# KiCad board boatcontrol.kicad_pcb (continued)
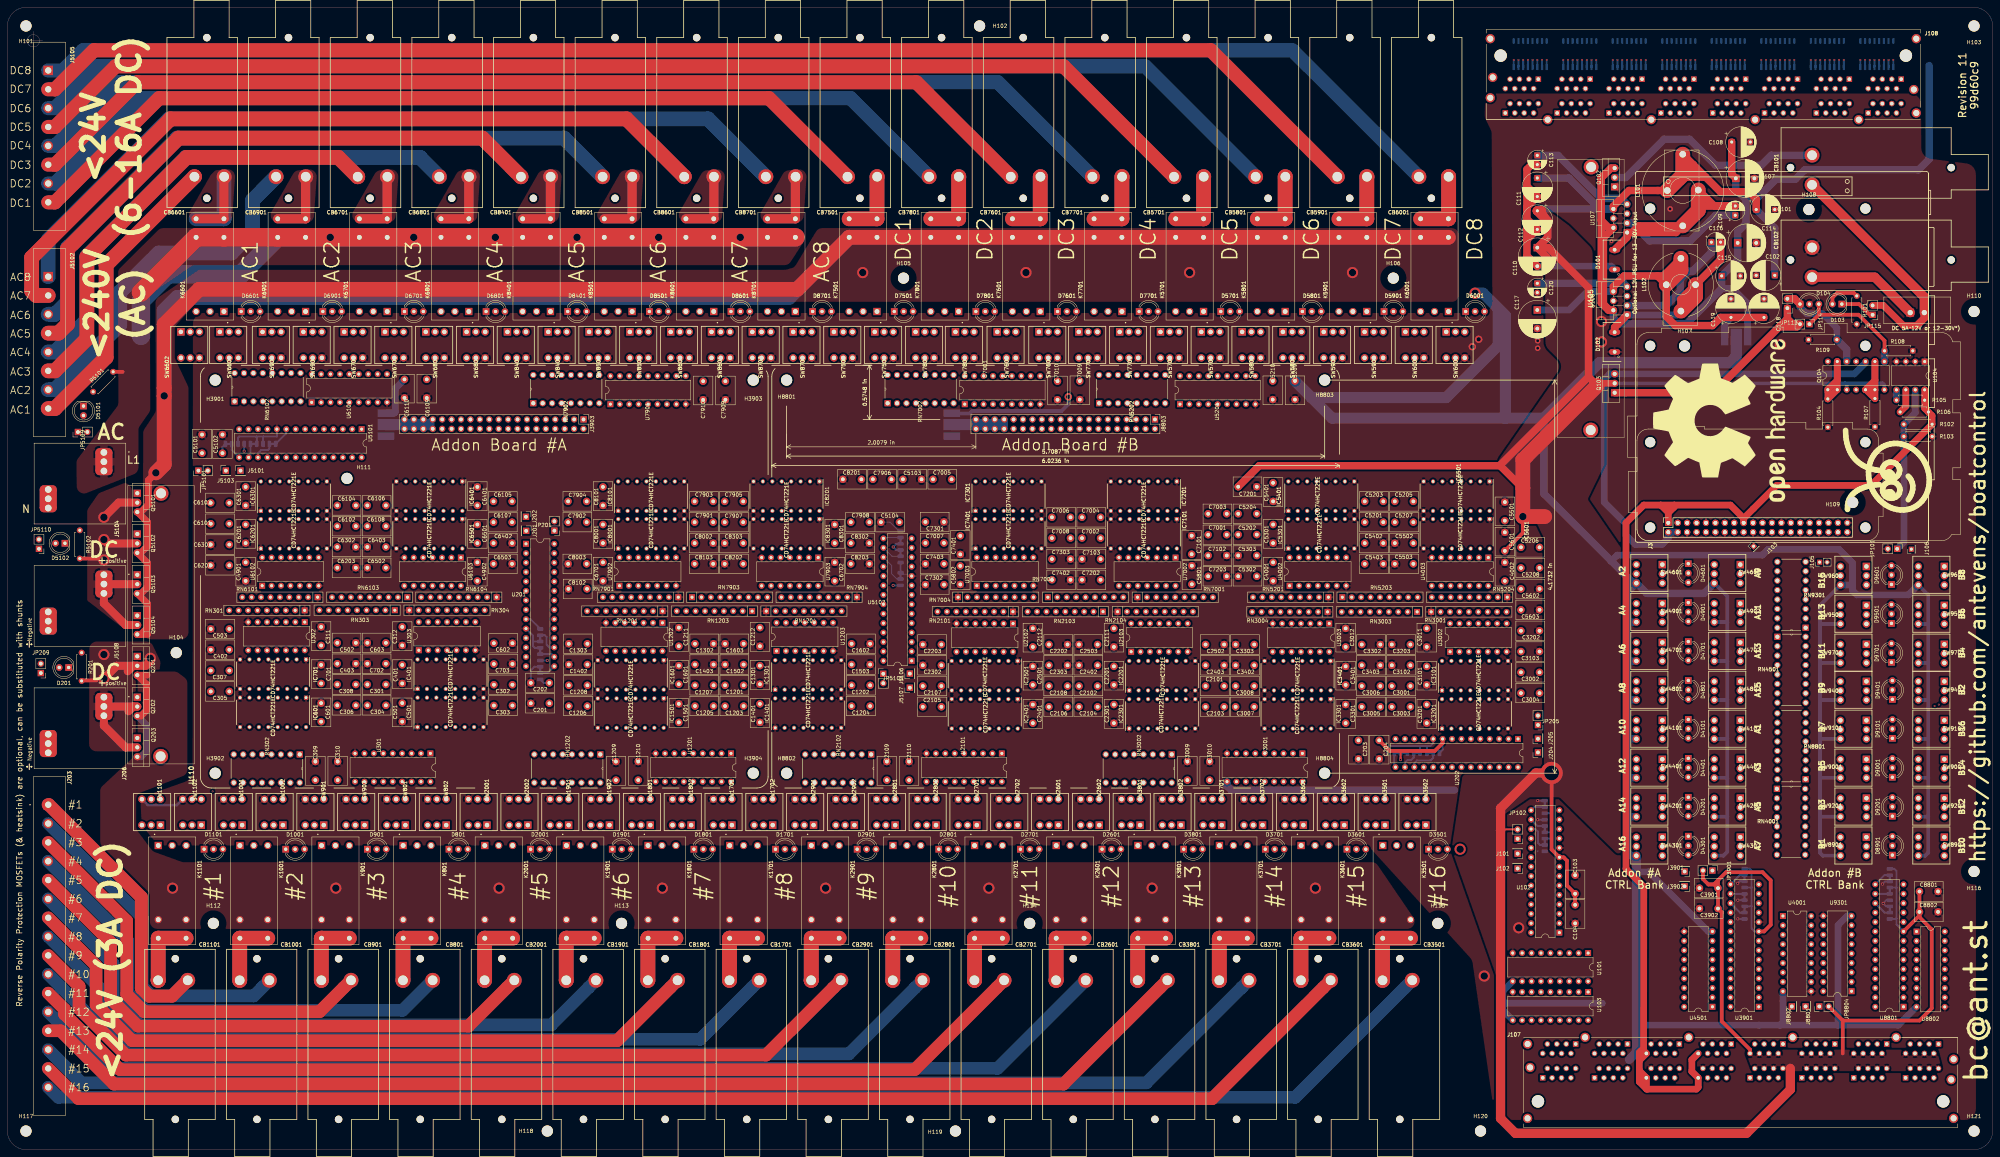
[diagram p0: board, top side]
## Copper pours and planes (outline as drawn; the poured copper is in the pictures) (continued)
/Mixed 12V DC / 230V AC Common Bank/230V AC 10/16A Block/16AC1/TO_FUSE on Bottom: 82.5,250.05 69.5,250.05 77.5,264.05 83.5,264.55
/Mixed 12V DC / 230V AC Common Bank/230V AC 10/16A Block/16AC2/TO_FUSE on Top: 60.5,250.05 47.5,250.05 55.5,264.05 61.5,264.55
/Mixed 12V DC / 230V AC Common Bank/230V AC 10/16A Block/16AC2/TO_FUSE on Bottom: 60.5,250 47.5,250 55.5,264 61.5,264.5
AC on Top: 212.7,248.5 215.1,245.6 210.5,238.5 50,238.5 38.4,230.6 38.5,199.2 35.3,194.6 35.3,182.6 18.7,176 18.6,185.8 29.9,200.8 29.8,237.2 41.2,248.5
AC on Bottom: 38.5,199.2 35.3,194.6 35.3,182.6 18.7,176 18.6,185.8 29.8,200.7 29.8,217 33.8,221.2 38.5,221.9
AC on Bottom: 215,245.5 210.5,238.5 64,238.5 73,247.5 214,247.5

## Text on the board
B.SilkS: Addon Card A Polarity Jumper / Common GND / +12V | Addon Card B Polarity Jumper / Common GND / +12V | Optional 12V PSU / Bypass | Contributor List: / Alex Gong @ PCBgogo | “I try all things, I achieve what I can.” / ― Herman Melville | https://github.com/antevens/boatcontrol | NVIDIA / Jetson (tm) / & / Compatible | Boatcontrol 32
F.Fab: Suggested enclosure: Fibox PC 5638 18 T / https://www.fibox.com/catalog/product/2393/2539557_ENG3.pdf | HASL | Maximum Via diameter 6/4mm | Minimum Via Diameter 0.5/0.3mm | 4 Layers (6oz -1oz - 1oz - 6oz) | Minimum Character Width(Legend) 0.15mm | Thickness 2.4 - 3.2mm (+/-10%) (routed) | Minimum F/B trace width/spacing 0.508mm | Dimentions 535mm x 308mm (+/- 0.15mm) | Minimum In1/In2 trace width/spacing 0.250mm | Soldermask | Core | Prepreg | 6oz F.Cu | 6oz B.Cu | 1oz In1.Cu | 1oz In2.Cu | Board Details | Stack-Up
F.SilkS: positive | Negative | DC 5A 12V or 12-30V*) | Optional 12V PSU for 13-30V input | Reverse Polarity Protection MOSFETs (& heatsink) are optional, can be substituted with shunts | A2 | A4 | A6 | A8 | A10 | A12 | A14 | A16 | A9 | A11 | A13 | A15 | A1 | A3 | A5 | A7 | B15 | B13 | B11 | B9 | B7 | B5 | B3 | B1 | B8 | B6 | B4 | B2 | B16 | B14 | B12 | B10 | DC8 | DC7 | DC6 | DC5 | DC4 | DC3 | DC2 | DC1 | AC8 | AC7 | AC6 | AC5 | AC4 | AC3 | AC2 | AC1 | #1 | #2 | #3 | #4 | #5 | #6 | #7 | #8 | #9 | #10 | #11 | #12 | #13 | #14 | #15 | #16 | N | + | L1 | Addon #A / CTRL Bank | Addon #B / CTRL Bank | ÷ | Revision 11 / 99d60c9 | Addon Board #A | Addon Board #B | https://github.com/antevens/boatcontrol | DC | AC | bc@ant.st | <24V (3A DC) | <24V / (6-16A DC) | <240V / (AC)
